# Altium PCB Hydrophone2012.PcbDoc (part 1 of 3) (continued)
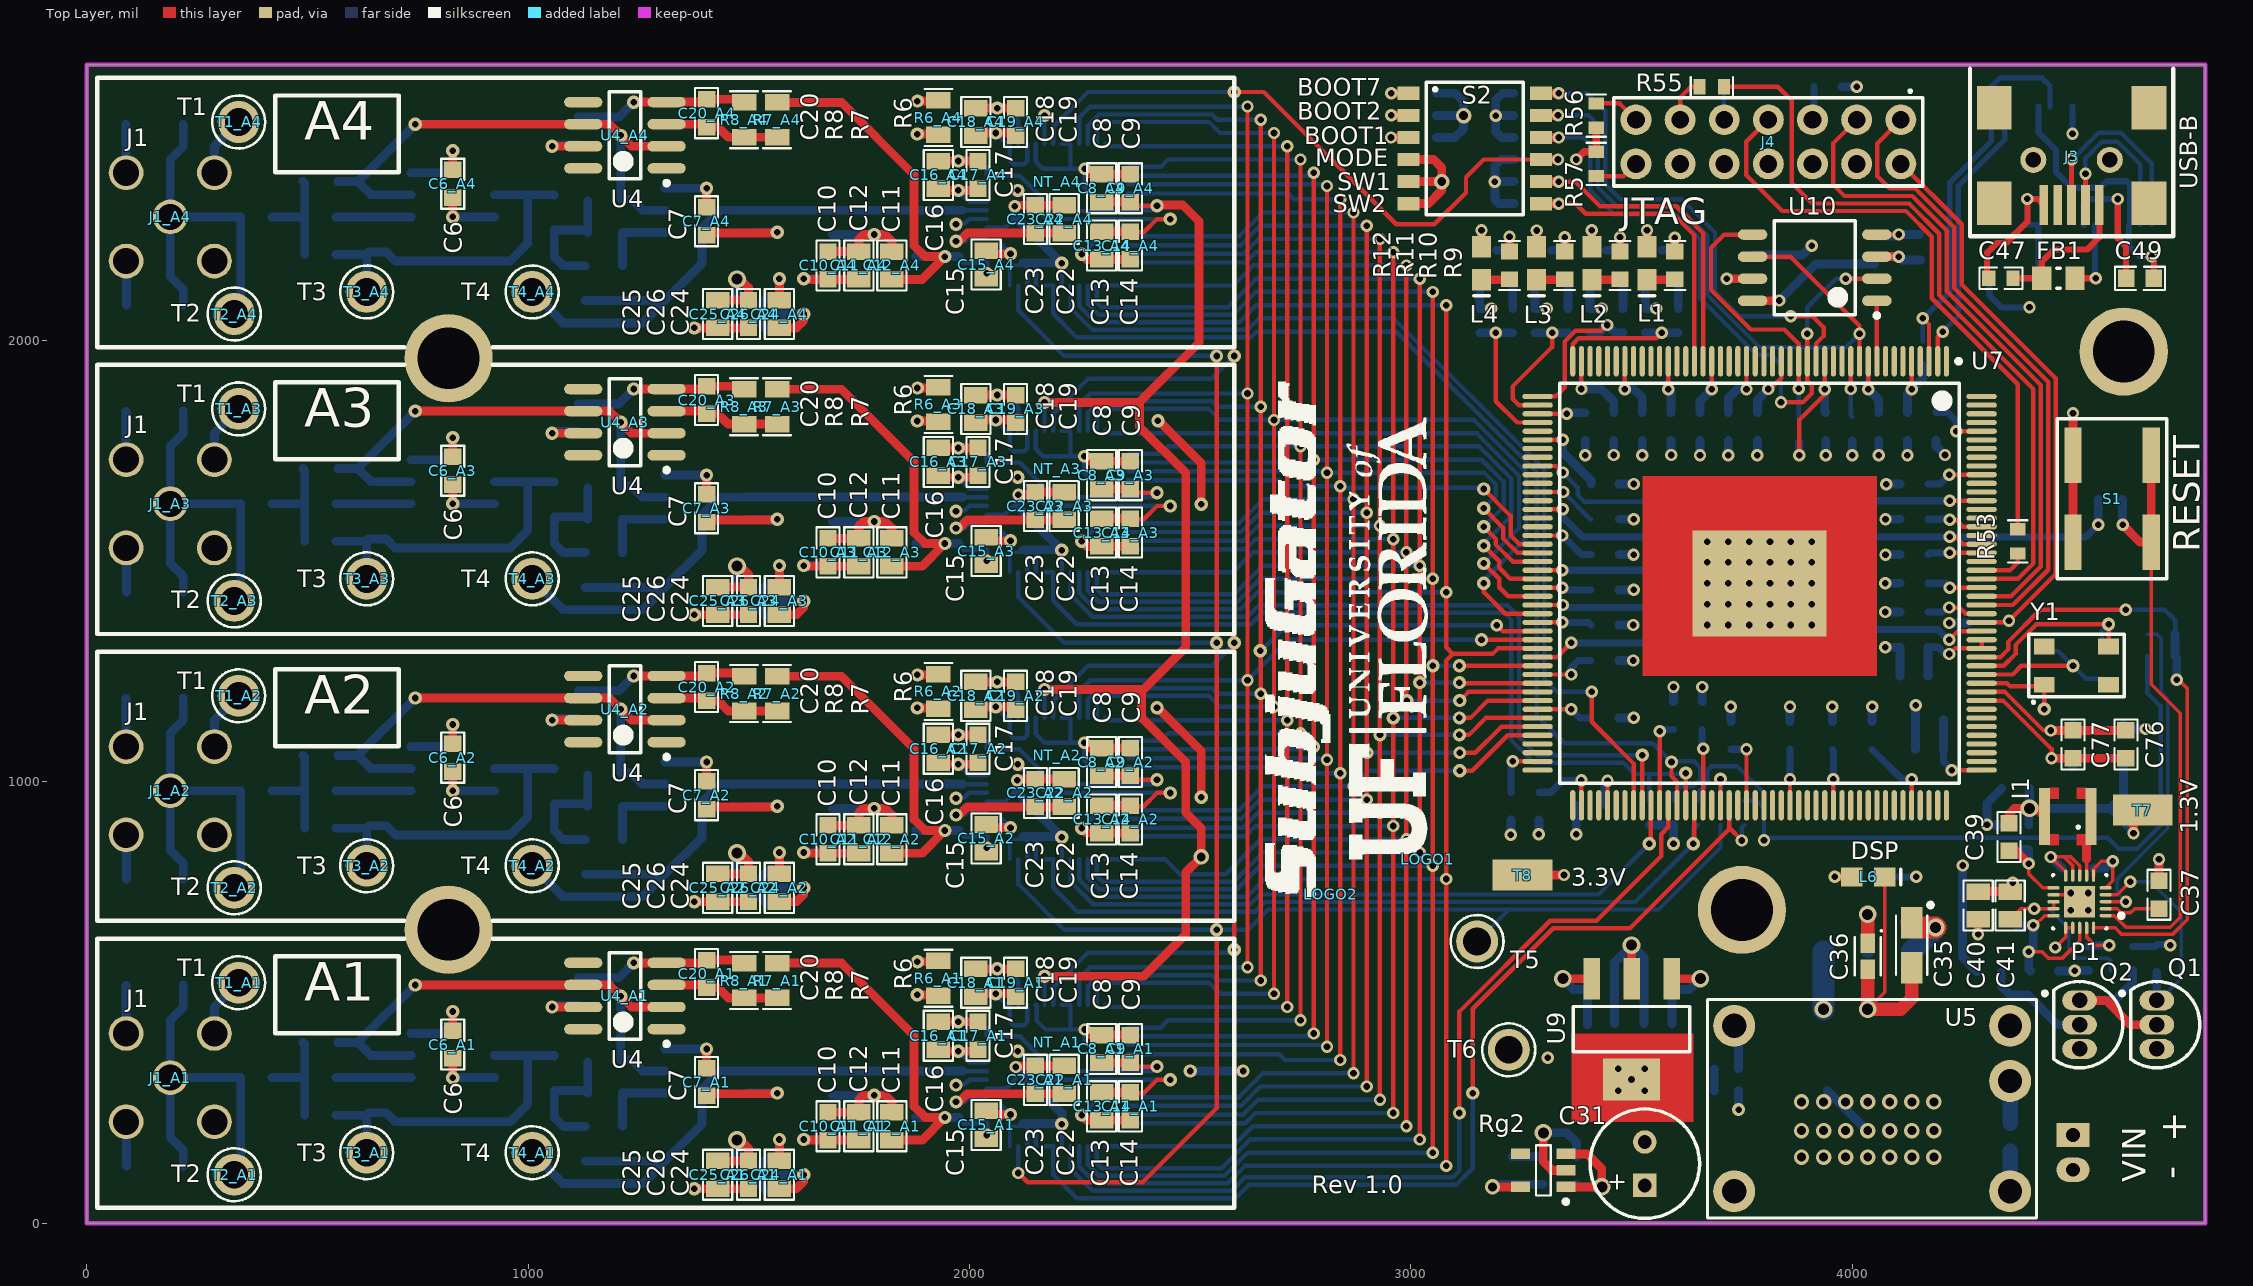
[diagram p0: Top Layer view]
## Components (designator, comment, footprint, x,y, rotation, side; value= is the part's Value field where it differs from the comment) (continued)
U2_A1 "TI-opamp-OPA365" TI-SOIC1-8N 1404.5,320 r0 bottom (schematic designator U2)
U2_A2 "TI-opamp-OPA365" TI-SOIC1-8N 1404.5,970 r0 bottom (schematic designator U2)
U2_A3 "TI-opamp-OPA365" TI-SOIC1-8N 1404.5,1620 r0 bottom (schematic designator U2)
U2_A4 "TI-opamp-OPA365" TI-SOIC1-8N 1404.5,2270 r0 bottom (schematic designator U2)
U3_A1 "ADR445" TI-SOIC1-8N 1784.5,215 r0 bottom (schematic designator U3)
U3_A2 "ADR445" TI-SOIC1-8N 1784.5,865 r0 bottom (schematic designator U3)
U3_A3 "ADR445" TI-SOIC1-8N 1784.5,1515 r0 bottom (schematic designator U3)
U3_A4 "ADR445" TI-SOIC1-8N 1784.5,2165 r0 bottom (schematic designator U3)
U4_A1 "TI-opamp-OPA211A" TI-SOIC1-8N 1219.5,515 r180 top (schematic designator U4)
U4_A2 "TI-opamp-OPA211A" TI-SOIC1-8N 1219.5,1165 r180 top (schematic designator U4)
U4_A3 "TI-opamp-OPA211A" TI-SOIC1-8N 1219.5,1815 r180 top (schematic designator U4)
U4_A4 "TI-opamp-OPA211A" TI-SOIC1-8N 1219.5,2465 r180 top (schematic designator U4)
U5 "PTN78000W" "TI-EUS - 3d" 4045,260 r180 top
U6 "LM1086ISX-5.0/NOPB" TO263 4035,370 r270 bottom
U7 "TMS320C6745" "PQFP-176N - TI" 3790,1450 r270 top
U8 "FT232R-RL" SOP65P780X200-28L 4511.8,2395.86 r270 bottom
U9 "LM3940" SOT230P700X155-4N 3500,440 r270 top
U10 "FLASH ROM" SOIC-8N 3915,2165 r180 top
Y1 "24 MHz" CTS405 4435,1220 r0 top

## Footprints (in the part's own frame and the unit in brackets; to place one, negate y for a bottom-side part, rotate by r counter-clockwise, add the part's x,y. Pads: shape width x height; smd on the part's side, far side on the other; paste and mask are expansions set on the pad)
CAPC1608XL [mm] "Chip Capacitor, Non-Polarized, EIA 0603, Metric 1608, Body 1.6x0.8mm, IPC High Density"
  rect 0.75x0.9 smd: 1(-0.7,0) 2(0.7,0)
  silkscreen extent -1.24,-0.62 1.24,0.62, body extent -0.8,-0.4 0.8,0.4, height 0.86
CAPC1608XN [mm] "Chip Capacitor, Non-Polarized, EIA 0603, Metric 1608, Body 1.6x0.8mm, IPC Medium Density"
  rect 0.95x1 smd: 1(-0.8,0) 2(0.8,0)
  silkscreen extent -1.44,-0.66 1.44,0.66, body extent -0.8,-0.4 0.8,0.4, height 0.86
CAPC2012XL [mm] "Chip Capacitor, Non-Polarized, EIA 0805, Metric 2012, Body 2.0x1.3mm, IPC High Density"
  rect 0.95x1.35 smd: 1(-0.8,0) 2(0.8,0)
  silkscreen extent -1.44,-0.84 1.44,0.84, body extent -1,-0.62 1,0.63, height 0.78
CAPC2012XN [mm] "Chip Capacitor, Non-Polarized, EIA 0805, Metric 2012, Body 2.0x1.3mm, IPC Medium Density"
  rect 1.15x1.45 smd: 1(-0.9,0) 2(0.9,0)
  silkscreen extent -1.64,-0.89 1.64,0.89, body extent -1,-0.62 1,0.63, height 0.78
CAPMP2012XL [mm] "Molded Capacitor, Body 2.0x1.2mm, EIA 0805, Case P, Case R, IPC High Density"
  rect 1.1x0.85 smd: 1(-0.75,0) 2(0.75,0)
  silkscreen extent -1.51,-0.75 1.1,0.84, body extent -1.1,-0.72 1.1,0.73, height 1.35
CAPMP3216XN [mm] "Molded Capacitor, Body 3.2x1.6mm, EIA 1206, Case G, Case K, Case S, IPC Medium Density"
  rect 1.8x1.25 smd: 1(-1.3,0) 2(1.3,0)
  silkscreen extent -2.44,-0.9 1.7,1.21, body extent -2.4,-0.89 2.4,0.91, height 1.8
CAPPR2.5-6.3x11 [mm] "Capacitor, Electrolytic, Radial; Body 6.3 x 11 mm (Dia.xH typ); Pin Spacing 2.5 mm (typ)"
  rect 1.35x1.35 hole 0.8: 1(-1.25,0)
  round 1.35 hole 0.8: 2(1.25,0)
  silkscreen extent -3.15,-3.15 3.15,3.15, body extent -3.18,-3.18 3.18,3.18, height 11.53
CTS405 [mm]
  rect 1.2x0.9 smd: 1(0,0) 2(3.7,0) 3(3.7,2.2) 4(0,2.2)
  silkscreen extent -0.9,-1.02 4.6,2.9, body extent -0.65,-0.5 4.35,2.7, height 0.9
DIPSW-6 [mil] "6 POS Dip SW"
  rect 30x50 smd: 1(0,0) 2(50,0) 3(100,0) 4(150,0) 5(200,0) 6(250,0) 7(250,300) 8(200,300) 9(150,300) 10(100,300) 11(50,300) 12(0,300)
  silkscreen extent -25,40 275,260, body extent -47,-10 297,310, height 93
"JTAG HEADER - 14" [mil]
  round 70 hole 40: 1(0,0) 2(0,100) 3(100,0) 4(100,100) 5(200,0) 6(200,100) 7(300,0) 8(300,100) 9(400,0) 10(400,100) 11(500,0) 12(500,100) 13(600,0) 14(600,100)
  silkscreen extent -50,-66 650,150, body extent -50,-50 650,150, height 234
KEYSTONE-TEST-POINT [mil] "Test Point"
  round 95 hole 63: 1(0,0)
  silkscreen extent -60,-60 60,60, body extent -62,-62 63,63, height 220
LED0805-GREEN [mm] "Molded Diode, 2-Leads, Body 2.0x1.3mm, IPC Medium Density"
  rect 1.25x1.1 smd: 1(-0.95,0) 2(0.95,0)
  silkscreen extent -1.88,-0.45 -1.88,0.45, body extent -1.01,-0.62 1.01,0.63, height 1.1
LED0805-RED [mm] "Molded Diode, 2-Leads, Body 2.0x1.3mm, IPC Medium Density"
  rect 1.25x1.1 smd: 1(-0.95,0) 2(0.95,0)
  silkscreen extent -1.88,-0.45 -1.88,0.45, body extent -1.01,-0.62 1.01,0.63, height 1.1
LPS3015 [mil]
  rect 25x130 smd: 1(-105,0) 2(0,0)
  Top Layer region: -72.5,-65 -72.5,-65 -94,-65 -94,-40 -72.5,-40 -72.5,-65
  Top Layer region: -11,40 -11,40 -32.5,40 -32.5,65 -11,65 -11,40
  Top Layer region: -11,-65 -11,-65 -32.5,-65 -32.5,-40 -11,-40 -11,-65
  Top Layer region: -72.5,40 -72.5,40 -94,40 -94,65 -72.5,65 -72.5,40
  silkscreen extent -77,23 -75,25, body extent -115,-62 9,62, height 59
"LQFP-48N - ADC" [mm] "TSQFP, 48-Leads, Body 9.2x9.2mm (max), Pitch 0.50mm, IPC Medium Density"
  oval 1.75x0.3 smd mask+0.05: 1(-4.075,2.75) 2(-4.075,2.25) 3(-4.075,1.75) 4(-4.075,1.25) 5(-4.075,0.75) 6(-4.075,0.25) 7(-4.075,-0.25) 8(-4.075,-0.75) 9(-4.075,-1.25) 10(-4.075,-1.75) 11(-4.075,-2.25) 12(-4.075,-2.75) 25(4.075,-2.75) 26(4.075,-2.25) 27(4.075,-1.75) 28(4.075,-1.25) 29(4.075,-0.75) 30(4.075,-0.25) 31(4.075,0.25) 32(4.075,0.75) 33(4.075,1.25) 34(4.075,1.75) 35(4.075,2.25) 36(4.075,2.75)
  oval 0.3x1.75 smd mask+0.05: 13(-2.75,-4.075) 14(-2.25,-4.075) 15(-1.75,-4.075) 16(-1.25,-4.075) 17(-0.75,-4.075) 18(-0.25,-4.075) 19(0.25,-4.075) 20(0.75,-4.075) 21(1.25,-4.075) 22(1.75,-4.075) 23(2.25,-4.075) 24(2.75,-4.075) 37(2.75,4.075) 38(2.25,4.075) 39(1.75,4.075) 40(1.25,4.075) 41(0.75,4.075) 42(0.25,4.075) 43(-0.25,4.075) 44(-0.75,4.075) 45(-1.25,4.075) 46(-1.75,4.075) 47(-2.25,4.075) 48(-2.75,4.075)
  silkscreen extent -4.2,-2.8 2.8,3.57, body extent -4.5,-4.49 4.5,4.51, height 1.56
MCC-SOD123 [mil] "SOD-123"
  rect 36x48 smd: 1(-64.5,0) 2(64.5,0)
  silkscreen extent -87,-39 55,39, body extent -73,-31 73,31, height 50
MCX_Female [mm] "MCX_female CONN JACK RCPT R/A"
  round 2 hole 1.5: 1(0,0) 2(-2.54,-2.54) 2(-2.54,2.54) 2(2.54,-2.54) 2(2.54,2.54)
  body extent -2.95,-3.07 6.55,2.93, height 5.9
"MIL LOGO - 600P" [mil]
  silkscreen extent 20,2 501,350
MOLEX-HDR-1X2-SHERLOCK-HORZ [mm]
  rect 1.397x1.905 hole 0.8: 1(0,0)
  oval 1.397x1.905 hole 0.8: 2(-2,0)
  silkscreen extent -4.83,-1.91 2.92,6.98, body extent -4.83,-1.91 2.87,8.59, height 5.54
"NetTie 10 mil" [mil]
  rect 10x10 smd paste-10 mask-10: 1(0,0) 2(20,0)
  Top Layer lines w10: 0,0 20,0
"NetTie 35 mil" [mil]
  rect 35x35 on Mid1 paste+0 mask-35: 1(0,0) 2(60,0)
  GND lines w40: 60,0 0,0
PBSW [mm]
  rect 3.2x1 smd: 1(0,0) 2(5,0) 3(5,4.5) 4(0,4.5)
  silkscreen extent -2.1,-0.9 7.1,5.4, body extent -2,-0.75 7,5.25, height 5
"PQFP-176N - TI" [mm] "PQFP, 176-Leads, Body 25.8x25.8mm (max), Pitch 0.50mm, IPC Medium Density"
  oval 1.75x0.3 smd mask+0.05: 1(-12.775,10.75) 2(-12.775,10.25) 3(-12.775,9.75) 4(-12.775,9.25) 5(-12.775,8.75) 6(-12.775,8.25) 7(-12.775,7.75) 8(-12.775,7.25) 9(-12.775,6.75) 10(-12.775,6.25) 11(-12.775,5.75) 12(-12.775,5.25) 13(-12.775,4.75) 14(-12.775,4.25) 15(-12.775,3.75) 16(-12.775,3.25) 17(-12.775,2.75) 18(-12.775,2.25) 19(-12.775,1.75) 20(-12.775,1.25) 21(-12.775,0.75) 22(-12.775,0.25) 23(-12.775,-0.25) 24(-12.775,-0.75) 25(-12.775,-1.25) 26(-12.775,-1.75) 27(-12.775,-2.25) 28(-12.775,-2.75) 29(-12.775,-3.25) 30(-12.775,-3.75) 31(-12.775,-4.25) 32(-12.775,-4.75) 33(-12.775,-5.25) 34(-12.775,-5.75) 35(-12.775,-6.25) 36(-12.775,-6.75) 37(-12.775,-7.25) 38(-12.775,-7.75) 39(-12.775,-8.25) 40(-12.775,-8.75) 41(-12.775,-9.25) 42(-12.775,-9.75) 43(-12.775,-10.25) 44(-12.775,-10.75) 89(12.775,-10.75) 90(12.775,-10.25) 91(12.775,-9.75) 92(12.775,-9.25) 93(12.775,-8.75) 94(12.775,-8.25) 95(12.775,-7.75) 96(12.775,-7.25) 97(12.775,-6.75) 98(12.775,-6.25) 99(12.775,-5.75) 100(12.775,-5.25) 101(12.775,-4.75) 102(12.775,-4.25) 103(12.775,-3.75) 104(12.775,-3.25) 105(12.775,-2.75) 106(12.775,-2.25) 107(12.775,-1.75) 108(12.775,-1.25) 109(12.775,-0.75) 110(12.775,-0.25) 111(12.775,0.25) 112(12.775,0.75) 113(12.775,1.25) 114(12.775,1.75) 115(12.775,2.25) 116(12.775,2.75) 117(12.775,3.25) 118(12.775,3.75) 119(12.775,4.25) 120(12.775,4.75) 121(12.775,5.25) 122(12.775,5.75) 123(12.775,6.25) 124(12.775,6.75) 125(12.775,7.25) 126(12.775,7.75) 127(12.775,8.25) 128(12.775,8.75) 129(12.775,9.25) 130(12.775,9.75) 131(12.775,10.25) 132(12.775,10.75)
  oval 0.3x1.75 smd mask+0.05: 45(-10.75,-12.775) 46(-10.25,-12.775) 47(-9.75,-12.775) 48(-9.25,-12.775) 49(-8.75,-12.775) 50(-8.25,-12.775) 51(-7.75,-12.775) 52(-7.25,-12.775) 53(-6.75,-12.775) 54(-6.25,-12.775) 55(-5.75,-12.775) 56(-5.25,-12.775) 57(-4.75,-12.775) 58(-4.25,-12.775) 59(-3.75,-12.775) 60(-3.25,-12.775) 61(-2.75,-12.775) 62(-2.25,-12.775) 63(-1.75,-12.775) 64(-1.25,-12.775) 65(-0.75,-12.775) 66(-0.25,-12.775) 67(0.25,-12.775) 68(0.75,-12.775) 69(1.25,-12.775) 70(1.75,-12.775) 71(2.25,-12.775) 72(2.75,-12.775) 73(3.25,-12.775) 74(3.75,-12.775) 75(4.25,-12.775) 76(4.75,-12.775) 77(5.25,-12.775) 78(5.75,-12.775) 79(6.25,-12.775) 80(6.75,-12.775) 81(7.25,-12.775) 82(7.75,-12.775) 83(8.25,-12.775) 84(8.75,-12.775) 85(9.25,-12.775) 86(9.75,-12.775) 87(10.25,-12.775) 88(10.75,-12.775) 133(10.75,12.775) 134(10.25,12.775) 135(9.75,12.775) 136(9.25,12.775) 137(8.75,12.775) 138(8.25,12.775) 139(7.75,12.775) 140(7.25,12.775) 141(6.75,12.775) 142(6.25,12.775) 143(5.75,12.775) 144(5.25,12.775) 145(4.75,12.775) 146(4.25,12.775) 147(3.75,12.775) 148(3.25,12.775) 149(2.75,12.775) 150(2.25,12.775) 151(1.75,12.775) 152(1.25,12.775) 153(0.75,12.775) 154(0.25,12.775) 155(-0.25,12.775) 156(-0.75,12.775) 157(-1.25,12.775) 158(-1.75,12.775) 159(-2.25,12.775) 160(-2.75,12.775) 161(-3.25,12.775) 162(-3.75,12.775) 163(-4.25,12.775) 164(-4.75,12.775) 165(-5.25,12.775) 166(-5.75,12.775) 167(-6.25,12.775) 168(-6.75,12.775) 169(-7.25,12.775) 170(-7.75,12.775) 171(-8.25,12.775) 172(-8.75,12.775) 173(-9.25,12.775) 174(-9.75,12.775) 175(-10.25,12.775) 176(-10.75,12.775)
  rect 6.1x7.7 smd: 177(0,0)
  silkscreen extent -12.9,-11.5 11.5,11.58, body extent -13.01,-13.01 13.01,13.01, height 1.36
QFN4-20N [mm] "QFN, 20-Leads, Body 3.1x3.1mm (max), Pitch 0.40mm, IPC Medium Density"
  oval 0.7x0.2 smd mask+0.05: 1(-1.5,0.8) 2(-1.5,0.4) 3(-1.5,0) 4(-1.5,-0.4) 5(-1.5,-0.8) 11(1.5,-0.8) 12(1.5,-0.4) 13(1.5,0) 14(1.5,0.4) 15(1.5,0.8)
  oval 0.2x0.7 smd mask+0.05: 6(-0.8,-1.5) 7(-0.4,-1.5) 8(0,-1.5) 9(0.4,-1.5) 10(0.8,-1.5) 16(0.8,1.5) 17(0.4,1.5) 18(0,1.5) 19(-0.4,1.5) 20(-0.8,1.5)
  rect 1.8x1.8 smd: 21(0,0)
  silkscreen extent -2.53,-1.55 1.55,1.55, body extent -2,-2 2,2, height 0.92
RESC1608XL [mm] "Chip Resistor, EIA 0603, Metric 1608, Body 1.6x0.8mm, IPC High Density"
  rect 0.7x0.9 smd: 1(-0.7,0) 2(0.7,0)
  silkscreen extent -1.21,-0.55 1.21,0.55, body extent -0.8,-0.4 0.8,0.4, height 0.3
RESC1608XN [mm] "Chip Resistor, EIA 0603, Metric 1608, Body 1.6x0.8mm, IPC Medium Density"
  rect 0.9x1 smd: 1(-0.8,0) 2(0.8,0)
  silkscreen extent -1.42,-0.6 1.42,0.6, body extent -0.8,-0.4 0.8,0.4, height 0.3
RESC2012X06N/0805 [mm] "Chip Resistor, 2-Leads, Body 2.0x1.3mm, IPC Medium Density"
  rect 1.1x1.35 smd: 1(-0.95,0) 2(0.95,0)
  silkscreen extent -0.1,-0.58 0.1,0.58, body extent -1,-0.6 1,0.6, height 0.95
RESC2012XN [mm] "Chip Resistor, EIA 0805, Metric 2012, Body 2.0x1.3mm, IPC Medium Density"
  rect 0.95x1.4 smd: 1(-1,0) 2(1,0)
  silkscreen extent -1.64,-0.8 1.64,0.8, body extent -1,-0.6 1,0.6, height 0.5
RESC3116X06N/1206 [mm] "Chip Resistor, 2-Leads, Body 3.1x1.6mm, IPC Medium Density"
  rect 1.3x1.8 smd: 1(-1.45,0) 2(1.45,0)
  silkscreen extent -0.4,-0.8 0.4,0.8, body extent -1.6,-0.8 1.6,0.8, height 1.1
SOIC-8N [mm] "SOIC, 8-Leads, Body 5.4x5.4mm (max), Pitch 1.27mm, IPC Medium Density"
  oval 1.7x0.6 smd: 1(-3.575,1.905) 2(-3.575,0.635) 3(-3.575,-0.635) 4(-3.575,-1.905) 5(3.575,-1.905) 6(3.575,-0.635) 7(3.575,0.635) 8(3.575,1.905)
  silkscreen extent -3.7,-2.7 2.33,2.88, body extent -4.2,-2.7 4.2,2.68, height 2.3
SOP65P780X200-28L [mm] "FTDI,SOP, 28-Leads, Body 10.5x5.6mm (max), Pitch 0.65mm, IPC High Density"
  oval 1.8x0.45 smd mask+0.05: 1(-3.4,4.225) 2(-3.4,3.575) 3(-3.4,2.925) 4(-3.4,2.275) 5(-3.4,1.625) 6(-3.4,0.975) 7(-3.4,0.325) 8(-3.4,-0.325) 9(-3.4,-0.975) 10(-3.4,-1.625) 11(-3.4,-2.275) 12(-3.4,-2.925) 13(-3.4,-3.575) 14(-3.4,-4.225) 15(3.4,-4.225) 16(3.4,-3.575) 17(3.4,-2.925) 18(3.4,-2.275) 19(3.4,-1.625) 20(3.4,-0.975) 21(3.4,-0.325) 22(3.4,0.325) 23(3.4,0.975) 24(3.4,1.625) 25(3.4,2.275) 26(3.4,2.925) 27(3.4,3.575) 28(3.4,4.225)
  silkscreen extent -2.1,-5.25 2.1,5.25, body extent -3.91,-5.1 3.91,5.1, height 1.97
SOT95P237X111-3L [mm] "SOT23, 3-Leads, Body 3.0x2.6mm (max), Pitch 0.95mm, IPC High Density"
  rect 1x0.6 smd: 1(-1,0.95) 2(-1,-0.95) 3(1,0)
  silkscreen extent -0.1,-1.5 0.7,1.5, body extent -1.25,-1.46 1.23,1.46, height 1
SOT230P700X155-4N [mm] "SOT223, 4-Leads, Body 6.7x7.3mm (max), Pitch 2.30mm, IPC Medium Density"
  rect 2.4x0.95 smd: 1(-2.9,2.3) 2(-2.9,0) 3(-2.9,-2.3)
  rect 2.4x3.3 smd: 4(2.9,0)
  silkscreen extent -1.3,-3.35 1.3,3.35, body extent -3.5,-3.25 3.5,3.25, height 1.64
SubjuGator-1200 [mil]
  silkscreen extent -6,1 1161,148
"TEST-POINT - 5015" [mil] "Test Point"
  rect 135x70 smd: 1(0,0)
  body extent -52,-20 53,20, height 60
"TI-EUS - 3d" [mil] "TI, EUS, R-PDSS-T5, Double Sided Module"
  round 95 hole 55: 1(-312.5,187.5) 2(-312.5,-62.5) 3(-312.5,-187.5) 4(312.5,-187.5) 5(312.5,187.5)
  silkscreen extent -372,-248 373,248, body extent -372,-247 372,247, height 228
TI-SOIC1-8N [mm] "SOIC, 8-Leads, Body 5.0x4.0mm (max), Pitch 1.27mm, IPC Medium Density"
  oval 2.2x0.6 smd: 1(-2.4,1.905) 2(-2.4,0.635) 3(-2.4,-0.635) 4(-2.4,-1.905) 5(2.4,-1.905) 6(2.4,-0.635) 7(2.4,0.635) 8(2.4,1.905)
  silkscreen extent -2.52,-2.5 0.9,2.88, body extent -3.01,-2.5 3.01,2.5, height 1.75
TI-SOT-23_5N [mm] "TI, DBV, R-PDSO-G5, JEDEC MO-178AA, SOT95P280X145-5N, SOT23, 5-Leads, Body 3.0x3.0mm (max), Pitch 0.95mm, IPC Medium Density"
  rect 1.1x0.6 smd: 1(-1.3,0.95) 2(-1.3,0) 3(-1.3,-0.95) 4(1.3,-0.95) 5(1.3,0.95)
  silkscreen extent -1.43,-1.45 0.43,1.92, body extent -1.5,-1.5 1.5,1.5, height 0.5
TO263 [mm] "D2-PAK, 4-Pads, Body 8.9x10.4mm (max), IPC Medium Density"
  rect 2.9x1.1 smd: 1(-6.25,2.54) 2(-6.25,0) 3(-6.25,-2.54)
  rect 7.2x10.5 smd: 4(4.1,0)
  silkscreen extent -6.37,-5.2 0.1,5.2, body extent -7.55,-5.1 7.55,5.2, height 4.6
TO-92A [mil] "TO, Flat Index; 3 In-Line, Axial Leads; Body Dia. 4.5mm; Leads 0.51 x 0.48 mm (max)"
  oval 78.74x45 hole 35: 1(0,-55) 2(0,0) 3(0,55)
  silkscreen extent -98,-98 83,98, body extent -95,-94 60,94, height 315
"UF LOGO-1000" [mil]
  silkscreen extent 0,0 1000,183
USB-MiniB-90 [mm] "Surface Mount USB Mini-B Connector, Right Angle"
  rect 2.3x0.5 smd paste-0.05 mask+0.076: 1(7.85,1.6) 2(7.85,0.8) 3(7.85,0) 4(7.85,-0.8) 5(7.85,-1.6)
  rect 2.5x2 smd paste-0.05 mask+0.076: 6(2.25,4.45) 6(2.25,-4.45) 6(7.75,4.45) 6(7.75,-4.45)
  round 1.5 hole 0.9: 7(5.25,2.2) 7(5.25,-2.2)
  silkscreen extent 0,-5.84 9.65,5.84, body extent -0.6,-4.9 8.6,5, height 4.14

## Part data
A_A1 A_A2 A_A3 A_A4: library part AD7623
C1_A1 C1_A2 C1_A3 C1_A4 C2_A1 C2_A2 C2_A3 C2_A4 C3_A1 C3_A2 C3_A3 C3_A4 C4_A1 C4_A2 C4_A3 C4_A4: library part CAP-CERAMIC-NP, "Capacitor, Ceramic, Chip, Non-Polarized"
C5_A1 C5_A2 C5_A3 C5_A4: library part CAP-CERAMIC-NP, "CAP CER 6800PF 50V 5% NP0 0805"
C6_A1 C6_A2 C6_A3 C6_A4 C7_A1 C7_A2 C7_A3 C7_A4 C9_A1 C9_A2 C9_A3 C9_A4 C10_A1 C10_A2 C10_A3 C10_A4 C14_A1 C14_A2 C14_A3 C14_A4 C17_A1 C17_A2 C17_A3 C17_A4 C19_A1 C19_A2 C19_A3 C19_A4 C20_A1 C20_A2 C20_A3 C20_A4 C21_A1 C21_A2 C21_A3 C21_A4 C23_A1 C23_A2 C23_A3 C23_A4 C26_A1 C26_A2 C26_A3 C26_A4 C29 C44 C45 C49 C50 C52 C53 C54 C55 C56 C57 C58 C59 C60 C61 C62 C63 C64 C65 C66 C67 C68 C69 C70 C71 C72 C73 C74 C76 C78 C79 C80 C81 C82 C83 C84 C85 C86 C88 C89 C90 C91 C92 C93 C94 C95 C96 C97 C98: library part CAP-CERAMIC-NP, "CAP CER 0.1UF 10V 20% X7R 0603"
C8_A1 C8_A2 C8_A3 C8_A4 C11_A1 C11_A2 C11_A3 C11_A4 C12_A1 C12_A2 C12_A3 C12_A4 C13_A1 C13_A2 C13_A3 C13_A4 C16_A1 C16_A2 C16_A3 C16_A4 C18_A1 C18_A2 C18_A3 C18_A4 C22_A1 C22_A2 C22_A3 C22_A4 C24_A1 C24_A2 C24_A3 C24_A4 C25_A1 C25_A2 C25_A3 C25_A4 C27 C28 C32 C38 C40 C41 C46 C48: library part CAP-CERAMIC-NP, "CAP CER 10UF 10V 10% X7R 0805"
C15_A1 C15_A2 C15_A3 C15_A4: library part CAP-CERAMIC-NP, "CAP TANT 47UF 10V 20% 0805"
C30: library part Capacitor, "Non Polarized Capacitor 2.2uF"
C31: library part Capacitor, "CAP ALUM 150UF 25V 20% RADIAL"
C33 C34: library part CAP-CERAMIC-NP, "CAP CER 2.2UF 10V 10% X5R 0603"
C35 C36 C42 C43: library part CAP-TANT, "Capacitor, Tantalum, Polarized"
C37: library part CAP-CERAMIC-NP, "CAP CER 0.1UF 16V 10% X7R 0603"
C39: library part CAP-CERAMIC-NP, "CAP CER 22PF 50V 5% NP0 0603"
C47 C75 C77 C87 C99: library part Capacitor, "CAP CER 10000PF 16V 10% X7R 0603"
C51: library part Capacitor, "CAP CER 1UF 10V 10% X7R 0603"
D1_A1 D1_A2 D1_A3 D1_A4 D2_A1 D2_A2 D2_A3 D2_A4: library part "Diode - 1N4148W", "DIODE SWITCH SS 75V 150MA SOD123"
FB1: "FERRITE BEAD 60 OHM 3.0A 0805"
FB2 FB3: library part FERRITE, "FERRITE BEAD 60 OHM 3.0A 0805"
I1: library part VLC5045
J1_A1 J1_A2 J1_A3 J1_A4: "MCX female receptacle RA"
J2: library part MOLEX-HDR-1x2-SHERLOCK_RA, "Header, Molex, 2mm Pitch Sherlock Header, Single Row, Horizontal, 2 Circuits, Length 3.3mm,  0353630260"
J3: "CONN MINI USB RCPT RA TYPE B SMD"
J4: library part JTAG-TI_14, "14 Pin JTAG Header"
L1 L2 L3 L4: "Light Emitting Diode - RED"
L6: "Light Emitting Diode - GREEN"
NC1 R3_A1 R3_A2 R3_A3 R3_A4 R4_A1 R4_A2 R4_A3 R4_A4 R7_A1 R7_A2 R7_A3 R7_A4 R8_A1 R8_A2 R8_A3 R8_A4 R14 R17 R18 R19 R20 R23 R24 R25 R26 R27 R28 R29 R30 R31 R32 R33 R34 R35 R36 R37 R38 R39 R40 R41 R42 R43 R44 R45 R46 R47 R48 R49 R50 R51 R52 R53 R54 R55 R56 R57: library part RES-CHIP, "Resistor Chip"
NT1 NT2 NT3 NT_A1 NT_A2 NT_A3 NT_A4: library part NetTie, "Net-Tie, Surface Mount"
P1: "IC CONV STP-DWN 2.25MHZ DL 20QFN"
Q1 Q2: "TRANS GP SS NPN LP 40V TO92"
Q3 Q4 Q5 Q6: "200ma N-Channel Mosfet"
R1_A1 R1_A2 R1_A3 R1_A4: library part RES-CHIP, "RES 1.2K OHM .1% 1/4W 0805 SMD"
R2_A1 R2_A2 R2_A3 R2_A4: library part RES-CHIP, "RES PREC 100K OHM 250MW .1% 0805"
R5_A1 R5_A2 R5_A3 R5_A4: library part RES-CHIP, "RES 1.69K OHM 1/8W .1% 0805 SMD"
R6_A1 R6_A2 R6_A3 R6_A4: library part Resistor, "Resistor"
R9 R10 R11 R12 R58: library part RES-CHIP, "RES 470 OHM .25W 5% 0603 SMD"
R15: library part Resistor, "1.3k Ohm Resistor"
R16: library part Resistor, "Resistor 6.81k"
R21: library part RES-CHIP, "RES 402K OHM 1/10W 1% 0603 SMD"
R22: library part RES-CHIP, "RES 100K OHM 1/10W 1% 0603 SMD"
Rg1_A1 Rg1_A2 Rg1_A3 Rg1_A4 Rg2: library part LP2981A, "100mA 5v LDO - 0.75% accuracy"
S1: library part SW-PB, "Push Button Switch"
S2: "SWITCH DIP 6POS HALF PITCH SMD"
T1_A1 T1_A2 T1_A3 T1_A4 T2_A1 T2_A2 T2_A3 T2_A4 T3_A1 T3_A2 T3_A3 T3_A4 T4_A1 T4_A2 T4_A3 T4_A4 T5 T6: library part TEST-POINT, "Single pin, looped test point --- 0.063\" (1.600mm) Hole Diameter"
T7 T8: library part TEST-POINT, "PC TEST POINT MINIATURE SMT"
U3_A1 U3_A2 U3_A3 U3_A4: "Ultralow Noise, LDO XFET Voltage   References with Current Sink and Source"
U4_A1 U4_A2 U4_A3 U4_A4: "IC OPAMP GP R-R 80MHZ SGL 8SOIC"
U5: "1.5A, 7-36V Input, Variable Switching Voltage Regulator"
U6: "1.5A Low Dropout Positive Regulators, 3-pin TO-263, Pb-Free"
U7: "IC DSP FIX/FLOAT POINT 176HLQFP"
U8: "IC USB FS SERIAL UART 28-SSOP"
U9: "3.3V Regulator from a 5V Supply"
U10: library part "Memory - SPI 32M Flash", "IC FLASH SER 32M 80MHZ SPI 8SOIC"
Y1: library part "CTS405 25MHz Crystal", "CRYSTAL 24.0 MHZ 13PF SMD"

## Free pads (board coordinates)
  round 200 hole 140: M1(820,665) M2(820,1960) M3(3750,710) M4(4615,1975)

## Via types
v1: diameter 28, hole 15, Top Layer to Bottom Layer, tented both sides, 277 vias
v2: diameter 30, hole 15, Top Layer to Bottom Layer, tented both sides, 161 vias
v3: diameter 35, hole 20, Top Layer to Bottom Layer, tented both sides, 25 vias
v4: diameter 40, hole 25, Top Layer to Bottom Layer, tented both sides, 14 vias
v5: diameter 28, hole 15, Top Layer to Bottom Layer, 3 vias
v6: diameter 28, hole 15, Top Layer to Bottom Layer, tented bottom, 1 vias
v7: diameter 28, hole 15, Top Layer to Bottom Layer, tented top, 1 vias
v8: diameter 30, hole 15, Top Layer to Bottom Layer, 1 vias